# Altium PCB WunderBar_v102b _flip.PcbDoc (part 3 of 7)
Units mil, origin at the board's own origin, x right, y up, seen from the top; angles counter-clockwise.
Board outline 4556.01 x 1552 mil, 4 copper layers (Top, Route2, Route15, Bottom), stack 52.756 mil thick; 380 components, 258 nets, 1391 pads, 528 vias.
Unrouted connection lines stored in the file: 8.
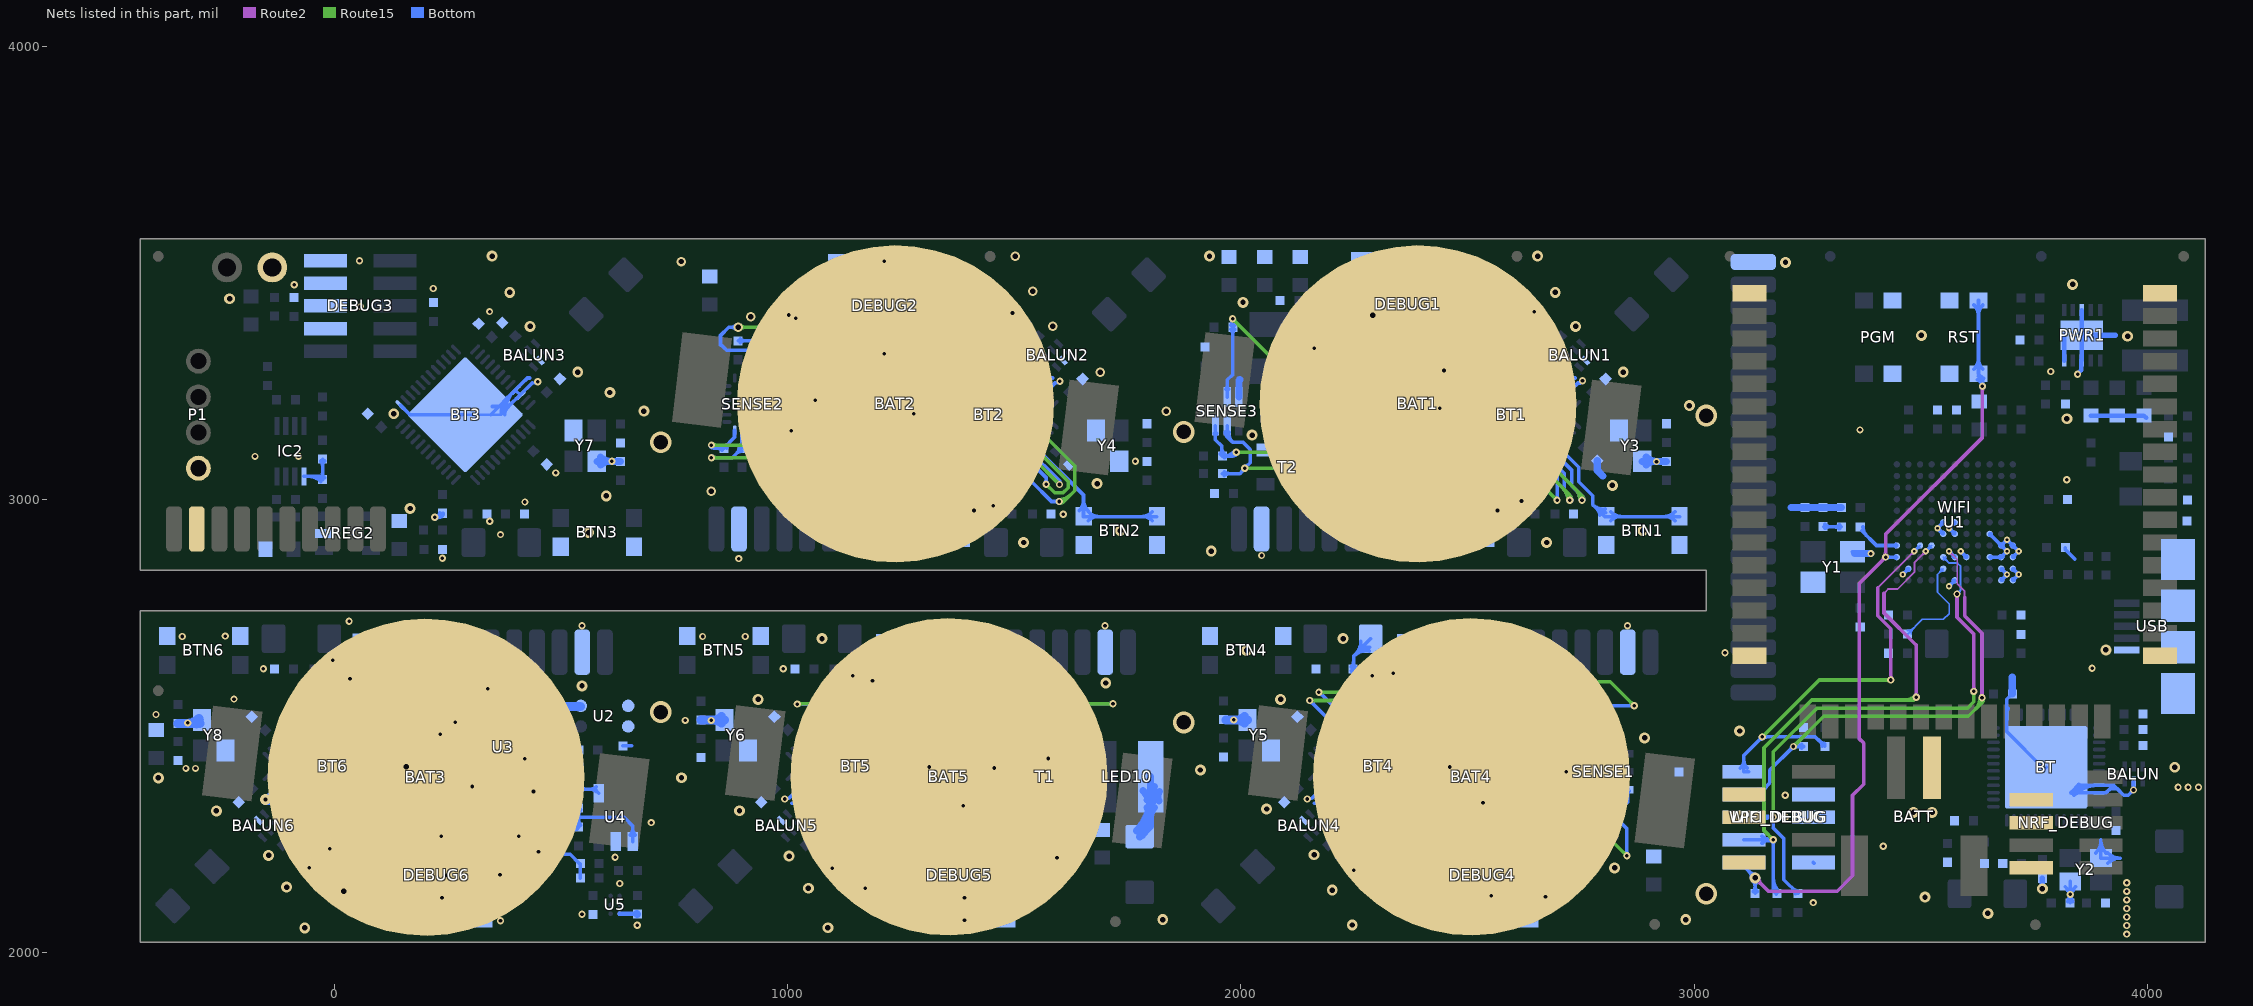
[diagram p5: the nets of this part, all layers, seen from the top]

## Via types
v1: diameter 16, hole 8, Top to Bottom, tented both sides, 282 vias
v2: diameter 24, hole 12, Top to Bottom, tented both sides, 135 vias
v3: diameter 14, hole 6, Top to Bottom, tented both sides, 34 vias
v4: diameter 48/41/41/48 (per signal layer), hole 32, Top to Bottom, 30 vias
v5: diameter 16, hole 8, Top to Route2, tented top, 18 vias
v6: diameter 21/21/21/21 (per signal layer), hole 12, Top to Bottom, tented both sides, 15 vias
v7: diameter 24, hole 12, Top to Route2, tented top, 12 vias
v8: diameter 21/21/21/21 (per signal layer), hole 12, Top to Bottom, 1 vias
v9: diameter 24, hole 8, Top to Bottom, tented both sides, 1 vias

## Nets (pads, with @x,y where several pads share a name; then routed paths per layer and width w, separated by ;. In a path a pad name is that pad's centre, name@x,y a point inside that pad or via, vN(x,y) a via of type N, cw(c..) or ccw(c..) an arc to the next point about the centre after c; other vN are vias at no path point) (continued)
GND: BALUN1.2 BALUN2.2 BALUN3.2 BALUN4.2 BALUN5.2 BALUN6.2 BALUN.2 BAT1.- BAT2.- BAT3.- BAT4.- BAT5.- BATT.2 BT1.13 BT1.33 BT1.34 BT1.PAD BT2.13 BT2.33 BT2.34 BT2.PAD BT3.13 BT3.33 BT3.34 BT3.PAD BT4.13 BT4.33 BT4.34 BT4.PAD BT5.13 BT5.33 BT5.34 BT5.PAD BT6.13 BT6.33 BT6.34 BT6.PAD BT.13 BT.33 BT.34 BT.PAD BTN1.P1 BTN1.P2 BTN2.P1 BTN2.P2 BTN3.P1 BTN3.P2 BTN4.P1 BTN4.P2 BTN5.P1 BTN5.P2 BTN6.P1 BTN6.P2 C1.2 C2.2 C3.2 C4.2 C5.2 C6.2 C7.2 C8.2 C9.2 C10.2 C12.2 C13.2 C14.2 C15.2 C16.2 C17.2 C18.2 C19.2 C20.2 C21.2 C22.2 C23.2 C24.2 C25.2 C26.2 C27.2 C28.2 C29.2 C30.2 C31.2 C32.2 C33.2 C34.2 C35.2 C36.2 C37.2 C38.2 C39.2 C40.2 C41.2 C42.2 C43.2 C44.2 C45.2 C46.2 C47.2 C48.2 C49.2 C50.2 C51.2 C52.2 C53.2 C54.2 C55.2 C56.2 C57.2 C58.2 C59.2 C60.2 C61.2 C62.2 C63.2 C64.2 C65.2 C66.2 C67.2 C68.2 C69.2 C70.1 C71.2 C72.2 C73.2 C74.2 C75.2 C76.2 C77.2 C78.2 C79.2 C80.1 C81.2 C84.1 C85.1 C86.2 C87.2 C88.2 C89.2 C90.1 C91.1 C92.1 C93.1 C94.1 C95.1 C96.1 C97.1 C98.1 C99.1 C100.1 C101.1 C102.1 C103.1 C104.2 C105.2 C106.2 C107.2 C108.2 C109.2 C110.2 C111.2 C112.1 C113.1 C114.1 DEBUG1.3 DEBUG1.5 DEBUG1.7 DEBUG1.9 DEBUG2.3 DEBUG2.5 DEBUG2.7 DEBUG2.9 DEBUG3.3 DEBUG3.5 DEBUG3.7 DEBUG3.9 DEBUG4.3 DEBUG4.5 DEBUG4.7 DEBUG4.9 DEBUG5.3 DEBUG5.5 DEBUG5.7 DEBUG5.9 DEBUG6.3 DEBUG6.5 DEBUG6.7 DEBUG6.9 IC2.1 LED2.K LED3.K LED5.K LED7.K LED8.K LED9.K LED11.K LED12.K LPC_DEBUG.3 LPC_DEBUG.5 LPC_DEBUG.9 NRF_DEBUG.3 NRF_DEBUG.5 NRF_DEBUG.9 P1.1 P1_GND.1 P2.1 PAD1.1 PAD18.1 PAD28.1 PAD38.1 PAD48.1 PAD51.1 PGM.P1 PGM.P2 PWR1.3 PWR1.5 PWR1.8 PWR1.11 R1.1 R3.1 R8.1 R13.1 R15.2 R26.1 R31.1 R32.1 R33.1 R34.1 R35.1 R36.1 R37.1 R50.1 R53.1 R64.2 R65.2 R66.1 R67.1 R69.1 RST.P3 RST.P4 SENSE1.2 SENSE2.9 SENSE2.11 SENSE2.18 SENSE2.20 SENSE3.3 T1.2 T2.2 U1.F6 U1.F7 U1.G3 U1.G6 U1.G7 U1.H1 U1.H2 U1.J1 U1.J2 U1.J3 U1.J5 U1.K1 U1.K2 U1.K10 U1.L1 U1.L2 U1.L6 U2.2 U2.3 U3.1 U3.4 U3.6 U4.2 U5.1C USB.5_GND USB.SHIELD VREG2.2 WIFI.1 WIFI.17 WIFI.32 WIFI.48 WIFI_DEBUG.3 WIFI_DEBUG.5 WIFI_DEBUG.9 Y1.2 Y1.4 Y2.2 Y2.4 Y3.2 Y3.4 Y4.2 Y4.4 Y5.2 Y5.4 Y6.2 Y6.4 Y7.2 Y7.4 Y8.2 Y8.4 | length 8380.4
  Bottom w6: v9@-156.48,2341.48 v9@-150.48,2341.48 ; BT6.PAD@-81.48,2411.48 BT6.PAD@-3.48,2411.48 BT6.PAD@-58.48,2411.48 ; BT3.PAD@344.52,3187.48 BT3.PAD@288.52,3187.48 BT3.PAD@366.52,3187.48 ; 436.52,3257.48 v1@441.52,3257.48 ; v1@997.52,2341.48 1002.52,2341.48 ; BT5.PAD@1072.52,2411.48 BT5.PAD@1150.52,2411.48 BT5.PAD@1094.52,2411.48 ; BT2.PAD@1497.52,3187.48 BT2.PAD@1442.52,3187.48 BT2.PAD@1520.52,3187.48 ; 1589.52,3257.48 v1@1595.52,3257.48 ; v1@2150.52,2341.48 2156.52,2341.48 ; BT4.PAD@2226.52,2411.48 BT4.PAD@2303.52,2411.48 BT4.PAD@2248.52,2411.48 ; BT1.PAD@2651.52,3187.48 BT1.PAD@2595.52,3187.48 BT1.PAD@2673.52,3187.48
  Bottom w8: C77.2@-345.48,2507.48 -299.48,2507.48 Y8.4@-292.48,2514.48 ; C77.2@-342.48,2511.68 ccw(c-333.17,2527.81) v1@-328.34,2509.82 ; C77.2@-341.24,2502.24 cw(c-328.58,2489.58) v1@-328.58,2507.48 ; C77.2@-341.24,2510.72 ccw(c-333.41,2518.55) -333.41,2507.48 ; C77.2@-340.28,2503.48 cw(c-331.33,2498.31) -334.01,2508.3 ; C77.2@-337.99,2509.82 cw(c-337.99,2495.21) v1@-327.01,2504.84 ; C77.2@-337.06,2507.48 ccw(c-337.06,2554.52) Y8.4@-303.79,2521.26 ; C77.2@-335.55,2505.61 cw(c-332.53,2494.36) v1@-326.18,2504.13 ; v1@-326.83,2504.65 ccw(c-333.66,2497.82) -333.66,2507.48 ccw(c-333.66,2517.14) v1@-326.83,2510.31 ; v1@-325.16,2507.48 cw(c-325.16,2477.27) Y8.4@-303.79,2498.63 ; v1@-322,2504.02 cw(c-317.68,2496.54) -315.45,2504.88 ; v1@-322,2510.94 ccw(c-314.41,2524.09) Y8.4@-310.48,2509.43 ; v1@-321.17,2504.65 cw(c-314.34,2497.82) -314.34,2507.48 cw(c-314.34,2517.14) v1@-321.17,2510.31 ; v1@-320.54,2509.48 ccw(c-311.29,2514.82) -314.05,2504.5 ; v1@-320.12,2506.49 cw(c-305.69,2502.81) -313.29,2515.62 ; v1@-317.74,2507.48 ccw(c-317.74,2535.21) Y8.4@-298.14,2515.6 ; v9@-154.67,2330.79 ccw(c-148.83,2351.32) -133.74,2336.22 ; v9@-152.63,2346.48 ccw(c-152.95,2363.6) -140.62,2351.72 ; v9(-152.48,2338.48) ccw(c-144.57,2366.31) -124.11,2345.85 ; v9@-150.48,2341.48 BT6.34@-124.48,2368.48 ; v9@-150.29,2346.18 ccw(c-140.3,2381.3) BT6.33@-114.48,2355.48 ; v9@-145.48,2330.48 -139.48,2330.48 BT6.33@-114.48,2355.48 ; v9@-144.48,2338.63 cw(c-122.99,2339.04) -138.47,2353.95 ; BT6.33@-112.97,2357.98 ccw(c-165.6,2411.58) BT6.PAD@-90.48,2411.53 ; -99.35,2371.35 ccw(c-138.84,2411.56) BT6.PAD@-82.48,2411.53 ; BT6.PAD@-96.84,2396.12 ccw(c-112.21,2411.48) BT6.PAD@-90.48,2411.48 ; BT6.PAD@-81.48,2411.48 BT6.34@-124.48,2368.48 ; IC2.1@-67.48,3051.48 -33.48,3051.48 C89.2@-26.48,3044.48 C88.2@-26.48,3089.48 ; BT6.PAD@-58.48,2411.48 -113.48,2357.48 BT6.33@-114.48,2355.48 ; -57.87,3051.48 cw(c-57.87,3013.1) C89.2@-30.72,3040.24 ; -38.55,3051.48 cw(c-38.55,3032.41) C89.2@-25.07,3045.89 ; C89.2@-30.72,3048.72 ccw(c-40.97,3058.97) -26.48,3058.97 ccw(c-11.99,3058.97) C89.2@-22.24,3048.72 ; C88.2@-30.72,3085.24 cw(c-40.97,3074.99) -26.48,3074.99 cw(c-11.99,3074.99) C88.2@-22.24,3085.24 ; BT6.PAD@-3.48,2411.48 119.52,2411.48 BT6.13@140.52,2390.48 ; v1@31.21,2601.59 cw(c24.81,2595) 34,2595 ; v1@33.35,2608.41 ccw(c30.98,2622.85) C73.2@43.65,2615.53 ; v1@34,2608.46 ccw(c34,2622.76) C73.2@44.11,2612.65 ; v1@35.04,2608.32 ccw(c37.36,2617) C73.2@41.85,2609.22 ; v1@36.79,2601.59 ccw(c43.19,2595) 34,2595 ; v1@37.86,2603.43 cw(c47.85,2600.75) C73.2@42.68,2609.7 ; C73.2@43.33,2617.87 cw(c28.85,2617.87) 39.09,2607.63 cw(c49.33,2597.39) C73.2@49.33,2611.87 ; C73.2@49.33,2617.87 34,2602.54 34,2595 ; BT3.13@145.52,3208.48 166.52,3187.48 BT3.PAD@288.52,3187.48 ; v1@221.74,2964.93 ccw(c225.17,2983.02) C64.2@238.19,2970 C64.2@229.19,2961 ; v1@224.16,2958.54 cw(c229.19,2954.62) C64.2@229.19,2961 ; v1@224.16,2963.46 ccw(c229.19,2967.38) C64.2@229.19,2961 ; C64.2@230.17,2961 ccw(c230.17,2971.1) C64.2@240.17,2969.73 ; C64.2@232.24,2970.81 cw(c221,2972.35) v1(221,2961) C64.2@229.19,2961 ; BT3.PAD@344.52,3187.48 398.52,3242.48 BT3.33@399.52,3243.48 ; BT3.PAD@347.52,3205.48 383.52,3205.48 BT3.34@409.52,3231.48 ; BT3.PAD@367.52,3188.21 cw(c421.81,3188.7) 383.07,3226.74 ; BT3.PAD@375.52,3187.48 cw(c399.66,3187.48) BT3.PAD@382.59,3204.55 ; BT3.PAD@375.52,3188.28 cw(c449.12,3188.95) BT3.33@396.6,3240.52 ; 400.03,3221.99 cw(c403.78,3218.24) BT3.34@403.78,3223.54 ; 430.52,3268.48 425.52,3268.48 BT3.33@399.52,3243.48 ; 436.52,3257.48 BT3.34@409.52,3231.48 ; C85.1@458.6,2543.7 483.9,2569 487,2569 ; C85.1@458.6,2549.7 ccw(c458.6,2564.19) 468.85,2553.94 ccw(c479.09,2543.7) C85.1@464.6,2543.7 ; 508.52,2217.48 519.71,2217.48 540.19,2197 C112.1@542.17,2197 R66.1@542.17,2165 ; C113.1@636.04,2456.63 656.04,2456.63 ; C39.2@890.52,3350.48 C40.2@930.52,3350.48 ; C39.2@894.76,3346.24 cw(c905.01,3335.99) 905.01,3350.48 cw(c905.01,3364.97) C39.2@894.76,3354.72 ; C40.2@926.28,3346.24 ccw(c916.03,3335.99) 916.03,3350.48 ccw(c916.03,3364.97) C40.2@926.28,3354.72 ; 1002.52,2341.48 BT5.34@1029.52,2368.48 ; 1008.52,2330.48 1014.52,2330.48 BT5.33@1039.52,2355.48 ; BT5.33@1041.6,2358.56 ccw(c988.68,2411.48) 1063.52,2411.48 cw(c1041.79,2411.48) BT5.PAD@1057.16,2396.12 ; 1055.26,2372.22 ccw(c1015.99,2411.48) BT5.PAD@1071.52,2411.48 ; BT5.PAD@1072.52,2411.48 BT5.34@1029.52,2368.48 ; BT5.PAD@1094.52,2411.48 1040.52,2357.48 BT5.33@1039.52,2355.48 ; BT5.PAD@1150.52,2411.48 1272.52,2411.48 BT5.13@1293.52,2390.48 ; v1@1185.83,2604.43 ccw(c1181.64,2620.06) C53.2@1195.65,2611.97 ; v1(1186.86,2600.57) 1186.86,2601.16 C53.2@1203.14,2617.43 ; v1@1186.86,2604.57 ccw(c1186.86,2612.79) 1192.68,2606.97 ; v1@1187,2604.56 ccw(c1187.23,2611.73) C53.2@1193.45,2608.15 ; v1@1190.73,2599.53 cw(c1209.03,2594.63) C53.2@1199.56,2611.04 ; v1@1190.86,2600.57 cw(c1201.95,2600.57) C53.2@1194.11,2608.41 ; v1@1190.83,2601.07 cw(c1197.74,2601.95) C53.2@1194.26,2607.98 ; C53.2@1197.14,2617.43 cw(c1182.65,2617.43) 1192.89,2607.19 cw(c1203.14,2596.95) C53.2@1203.14,2611.43 ; BT2.13@1298.52,3208.48 1319.52,3187.48 BT2.PAD@1442.52,3187.48 ; BT2.PAD@1497.52,3187.48 BT2.33@1553.52,3243.48 ; BT2.PAD@1521.52,3187.48 cw(c1579.46,3187.48) 1538.49,3228.45 ; BT2.PAD@1528.52,3205.48 1537.52,3205.48 BT2.34@1563.52,3231.48 ; BT2.PAD@1536.59,3204.55 ccw(c1553.66,3187.48) 1529.52,3187.48 cw(c1606.77,3187.48) BT2.33@1552.15,3242.11 ; 1554.03,3221.99 cw(c1557.78,3218.24) BT2.34@1557.78,3223.54 ; BT2.34@1571.92,3237.68 cw(c1577.22,3237.68) 1573.47,3241.43 ; 1584.52,3268.48 1578.52,3268.48 BT2.33@1553.52,3243.48 ; 1589.52,3257.48 BT2.34@1563.52,3231.48 ; 2156.52,2341.48 BT4.34@2182.52,2368.48 ; 2161.52,2330.48 2167.52,2330.48 BT4.33@2192.52,2355.48 ; BT4.33@2193.89,2356.85 ccw(c2139.26,2411.48) BT4.PAD@2216.52,2411.48 ; 2207.55,2370.51 ccw(c2166.58,2411.48) BT4.PAD@2224.52,2411.48 ; BT4.PAD@2208.61,2393.98 ccw(c2190.24,2412.78) BT4.PAD@2216.53,2412.48 ; BT4.PAD@2226.52,2411.48 BT4.34@2182.52,2368.48 ; BT4.PAD@2248.52,2411.48 BT4.33@2192.52,2355.48 ; DEBUG1.3@2290.75,3381.48 2325.52,3381.48 2383.52,3323.48 2383.52,3315.48 ; BT4.PAD@2303.52,2411.48 2426.52,2411.48 BT4.13@2447.52,2390.48 ; 2395.35,3263.83 2395.35,3232.15 2407.99,3219.52 C2.2@2409.13,3219.52 ; 2396.93,3230.57 ccw(c2409.13,3242.77) C2.2@2409.13,3225.52 ; C2.2@2399.7,3227.8 cw(c2391.42,3219.52) C2.2@2403.13,3219.52 ; BT1.13@2452.52,3208.48 2473.52,3187.48 BT1.PAD@2595.52,3187.48 ; BT1.PAD@2651.52,3187.48 2705.52,3242.48 BT1.33@2707.52,3243.48 ; BT1.PAD@2670.52,3205.48 2690.52,3205.48 BT1.34@2716.52,3231.48 ; BT1.PAD@2674.52,3188.21 cw(c2728.81,3188.7) 2690.07,3226.74 ; BT1.PAD@2682.52,3187.48 cw(c2706.66,3187.48) BT1.PAD@2689.59,3204.55 ; BT1.PAD@2682.52,3188.28 cw(c2756.12,3188.95) BT1.33@2703.6,3240.52 ; 2707.03,3221.99 cw(c2710.78,3218.24) BT1.34@2710.78,3223.54 ; 2737.52,3268.48 2732.52,3268.48 BT1.33@2707.52,3243.48 ; v1@2748.52,3257.48 2743.52,3257.48 BT1.34@2716.52,3231.48 ; LPC_DEBUG.9@3262.52,2199.48 LPC_DEBUG.9@3264.52,2197.48 ; Y1.4@3349.48,2885.02 Y1.4@3353.5,2881 ; v3(3460.05,2834.86) U1.K10@3472.85,2847.66 ; v3@3460.05,2837.86 ccw(c3460.05,2845.08) 3465.16,2839.97 ; v3@3463.05,2834.86 cw(c3470.32,2834.86) 3465.18,2840 ; 3467.7,2842.52 cw(c3472.86,2837.37) U1.K10@3472.86,2844.65 ; 3467.75,2842.56 ccw(c3462.66,2847.65) U1.K10@3469.86,2847.65 ; v3@3536.27,2936.68 3548.5,2924.46 U1.G7@3549.64,2924.46 ; v3(3536.84,2937.25) U1.F7@3549.64,2950.03 ; v3@3536.84,2940.25 ccw(c3536.84,2947.49) 3541.96,2942.37 ccw(c3547.08,2937.25) 3539.84,2937.25 ccw(c3549.83,2937.25) 3542.77,2930.19 ; v3@3539.74,2938.03 ccw(c3556.9,2942.63) U1.G7@3548.02,2927.24 ; v3@3539.84,2937.16 ccw(c3548.39,2936.9) 3544.11,2929.49 ; 3542.57,2930.38 ccw(c3549.64,2937.45) U1.G7@3549.64,2927.46 ; 3544.49,2944.9 cw(c3549.64,2939.75) U1.F7@3549.64,2947.03 ; 3544.53,2944.94 ccw(c3539.43,2950.03) U1.F7@3546.64,2950.03 ; U1.F7@3549.64,2946.88 U1.F7@3549.64,2950.03 ; v3(3562.43,2809.26) U1.L6@3575.22,2822.08 ; v3@3562.43,2812.26 ccw(c3562.43,2819.48) 3567.54,2814.38 ccw(c3572.7,2809.26) v3@3565.43,2809.26 ; v3@3562.43,2934.26 cw(c3562.43,2927.11) 3567.49,2932.17 ; v3@3562.43,2937.22 U1.G6@3575.22,2924.44 ; v3@3562.44,2937.24 U1.F6@3575.22,2950.02 ; v3@3562.43,2940.26 ccw(c3562.43,2947.58) 3567.61,2942.4 ; 3567.53,2942.33 ccw(c3572.6,2937.26) 3565.43,2937.26 ccw(c3572.77,2937.26) 3567.58,2932.07 ; 3570.08,2816.93 ccw(c3564.93,2822.08) U1.L6@3572.22,2822.08 ; 3570.13,2816.97 cw(c3575.22,2811.88) U1.L6@3575.22,2819.08 ; U1.G6@3572.22,2924.44 ccw(c3564.99,2924.44) 3570.1,2929.55 ccw(c3575.22,2934.7) U1.G6@3575.22,2927.44 ; U1.F6@3572.22,2950.02 cw(c3564.98,2950.02) 3570.1,2944.89 cw(c3575.22,2939.77) U1.F6@3575.22,2947.02 ; v3@3588.03,2883.06 cw(c3588.03,2875.79) 3593.17,2880.93 cw(c3598.25,2886.06) v3@3591.03,2886.06 ; v3(3588.03,2886.06) U1.J5@3600.82,2873.25 ; 3595.69,2878.4 cw(c3590.54,2873.25) U1.J5@3597.82,2873.25 ; 3595.73,2878.36 ccw(c3600.82,2883.45) U1.J5@3600.82,2876.25 ; U1.J3@3652.01,2873.23 U1.J2@3677.59,2873.24 ; U1.G3@3652.01,2921.43 cw(c3652.01,2914.19) 3657.14,2919.31 cw(c3662.26,2924.43) U1.G3@3655.01,2924.43 ; U1.G3@3652.01,2924.43 U1.H2@3677.91,2898.54 ; U1.J3@3654.14,2871.11 cw(c3659.26,2865.99) 3659.26,2873.23 cw(c3659.26,2880.47) U1.J3@3654.14,2875.35 ; 3672.46,2903.99 cw(c3667.31,2898.84) U1.H2@3674.59,2898.84 ; 3672.49,2903.95 ccw(c3677.59,2909.05) 3677.59,2901.84 ccw(c3677.59,2909.08) 3682.71,2903.96 ccw(c3687.84,2898.84) 3680.59,2898.84 ccw(c3687.89,2898.84) 3682.73,2893.68 ; U1.J2@3675.47,2871.12 ccw(c3670.37,2866.01) 3670.37,2873.23 ccw(c3670.33,2880.5) U1.J2@3675.47,2875.36 ; U1.J2@3677.59,2873.24 v3(3690.37,2886.04) U1.H2@3677.59,2898.84 ; U1.L2@3677.59,2822.08 v3(3690.38,2834.88) ; U1.L2@3677.59,2825.08 ccw(c3677.59,2832.32) 3682.71,2827.2 ccw(c3687.83,2822.08) U1.L2@3680.59,2822.08 ; U1.K2@3677.59,2844.65 cw(c3677.59,2837.35) 3682.75,2842.51 ; U1.K2@3677.59,2847.65 v3(3690.38,2834.88) ; U1.J2@3677.59,2876.24 ccw(c3677.59,2883.44) 3682.68,2878.35 ; U1.H2@3677.59,2895.84 cw(c3677.59,2888.65) 3682.67,2893.74 ; U1.H2@3677.6,2898.86 v3(3690.36,2911.62) U1.H1@3703.15,2898.83 ; U1.K2@3680.59,2847.65 ccw(c3687.77,2847.65) 3682.69,2842.58 ; U1.J2@3680.59,2873.24 cw(c3687.88,2873.24) 3682.72,2878.39 ; 3685.26,2829.75 ccw(c3680.12,2834.88) 3687.38,2834.88 ccw(c3680.14,2834.88) 3685.26,2840.01 ccw(c3690.38,2845.13) v3@3690.38,2837.88 ; 3685.24,2880.9 ccw(c3680.1,2886.04) 3687.37,2886.04 ccw(c3680.12,2886.04) 3685.25,2891.16 ccw(c3690.37,2896.29) v3@3690.37,2889.04 ; 3685.26,2880.93 cw(c3690.37,2875.83) v3@3690.37,2883.04 ; 3685.28,2829.77 cw(c3690.38,2824.67) v3@3690.38,2831.88 ; v3@3687.36,2911.62 cw(c3680.12,2911.62) 3685.24,2906.5 cw(c3690.36,2901.38) 3690.36,2908.62 cw(c3690.36,2901.38) 3695.49,2906.5 cw(c3700.61,2911.62) v3@3693.36,2911.62 ; BT.PAD@3689.52,2488.48 3772.52,2405.48 BT.PAD@3776.52,2409.48 ; BT.PAD@3689.91,2488.48 3689.91,2559.34 C7.2@3702.05,2571.48 ; BT.13@3689.91,2535.62 ccw(c3686.4,2541.7) 3693.17,2539.88 ; 3697.96,2904.03 ccw(c3703.19,2909.26) U1.H1@3703.19,2901.86 ; 3698.11,2903.87 cw(c3693.1,2898.86) U1.H1@3700.19,2898.86 ; U1.J1@3703.19,2873.25 v3(3715.96,2886.07) U1.H1@3703.2,2898.83 ; U1.L1@3703.19,2822.1 v3(3715.97,2834.91) U1.K1@3703.19,2847.67 ; U1.L1@3703.19,2825.1 ccw(c3703.19,2832.27) 3708.26,2827.2 ; U1.K1@3703.19,2844.67 cw(c3703.19,2837.37) 3708.35,2842.53 ; U1.J1@3703.19,2876.25 ccw(c3703.19,2883.38) 3708.23,2878.34 ; U1.H1@3703.19,2895.86 cw(c3703.19,2888.67) 3708.27,2893.75 ; U1.L1@3706.19,2822.1 cw(c3713.5,2822.1) 3708.33,2827.27 ; U1.K1@3706.19,2847.67 ccw(c3713.37,2847.67) 3708.29,2842.59 ; U1.J1@3706.19,2873.25 cw(c3713.54,2873.25) 3708.34,2878.45 ; U1.H1@3706.19,2898.86 ccw(c3713.48,2898.86) 3708.33,2893.7 ; v3@3715.97,2831.91 ccw(c3715.97,2824.67) 3710.85,2829.79 ccw(c3705.73,2834.91) 3712.97,2834.91 ccw(c3705.73,2834.91) 3710.85,2840.03 ccw(c3715.97,2845.15) v3@3715.97,2837.91 ; v3@3715.96,2883.07 ccw(c3715.96,2875.83) 3710.84,2880.95 ccw(c3705.71,2886.07) 3712.96,2886.07 ccw(c3705.71,2886.07) 3710.84,2891.19 ccw(c3715.96,2896.31) v3@3715.96,2889.07 ; Y2.4@3818.74,2146.17 cw(c3791.43,2118.85) 3830.06,2118.85 cw(c3868.68,2118.85) Y2.4@3841.37,2146.17 ; C114.1@3818.89,2894 3818.89,2890.11 3840,2869 ; Y2.4@3822.88,2139.09 ccw(c3834.48,2145.86) v1@3831.07,2132.87 ; C15.2@3824.32,2113.48 ccw(c3803.84,2125.3) v1@3826.69,2131.43 ; C15.2@3825.28,2114.72 ccw(c3813.74,2126.26) v1@3830.06,2126.26 ; C15.2@3826.52,2115.68 ccw(c3822.09,2123.34) v1@3830.64,2121.05 ; C15.2@3826.69,2118.62 cw(c3833.68,2118.62) v1@3831.37,2125.22 ; v1@3826.82,2126.65 cw(c3819.8,2121.54) C15.2@3828.19,2119.29 ; v1@3827.23,2126.17 cw(c3820.4,2119.34) 3830.06,2119.34 cw(c3839.71,2119.34) 3832.88,2126.17 ccw(c3837.65,2121.4) C15.2@3831.13,2119.65 ; v1@3827.23,2131.83 ccw(c3820.4,2138.66) 3830.06,2138.66 ccw(c3839.71,2138.66) v1@3832.88,2131.83 ; v1@3828.02,2125.56 cw(c3825.68,2121.62) C15.2@3829.65,2119.33 ; v1@3828.2,2125.46 cw(c3824.3,2118.01) C15.2@3832.71,2118.01 ; v1@3829.04,2132.87 ccw(c3825.63,2145.86) Y2.4@3837.23,2139.09 ; C15.2@3829.52,2110.48 3830.06,2111.02 Y2.4@3830.06,2157.48 ; v1@3830.06,2123.67 ccw(c3842.71,2123.67) C15.2@3833.76,2114.72 ; BT.PAD@3832.38,2353.62 cw(c3870.67,2315.33) 3870.67,2369.48 ; BT.PAD@3832.52,2353.48 3909.52,2353.48 3918.52,2362.48 3932.52,2362.48 ; v1@3832.71,2128.75 ccw(c3852.14,2123.54) C15.2@3834.72,2113.48 ; BT.PAD@3848.52,2370.48 3849.52,2369.48 BT.33@3893.52,2369.48 3925.52,2369.48 3932.52,2362.48 ; BT.PAD@3851.36,2353.48 ccw(c3851.36,2334.64) 3838.04,2347.96 cw(c3889.99,2296.01) BT.33@3889.99,2369.48 ; Y2.2@3886.21,2220.38 ccw(c3858.89,2247.7) 3897.52,2247.7 ccw(c3936.15,2247.7) Y2.2@3908.83,2220.38 ; 3897.52,2249.52 Y2.2@3897.52,2209.07 3940.07,2209.07 ; BT.34@3903.52,2353.48 ccw(c3903.52,2367.97) 3913.76,2357.72 ; Y2.2@3912.85,2197.77 cw(c3940.07,2170.63) 3940.07,2209.07 ; Y2.2@3912.85,2220.37 ccw(c3940.07,2247.51) 3940.07,2209.07 ; BALUN.2@3969.52,2377.48 v1(3969.52,2359.48) 3957.52,2347.48 3948.02,2347.48 3933.02,2362.48 3932.52,2362.48 ; BT6.34@-124.48,2368.48 -114.48,2358.48 BT6.33@-114.48,2355.48 ; BT3.33@399.52,3243.48 399.52,3240.48 BT3.34@409.52,3231.48 ; BT5.34@1029.52,2368.48 1039.52,2358.48 BT5.33@1039.52,2355.48 ; BT2.33@1553.52,3243.48 1553.52,3240.48 BT2.34@1563.52,3231.48 ; BT4.34@2182.52,2368.48 2192.52,2358.48 BT4.33@2192.52,2355.48 ; BT1.33@2707.52,3243.48 2707.52,3240.48 BT1.34@2716.52,3231.48
  Bottom w9: U5.1C@628.84,2086.32 C80.1@667.02,2086.32
  Bottom w10: PWR1.5@3816.15,3307 PWR1.11@3816.15,3362.61 ; BT.PAD@3832.52,2353.48 3834.16,2355.23 BT.PAD@3848.52,2370.48 ; v1@3847.39,3279.39 3854,3286 PWR1.3@3854,3308.35 ; PWR1.3@3855.52,3306.87 PWR1.11@3855.52,3362.48 PWR1.8@3855.52,3418.48 ; C9.2@3875.52,3185.48 C10.2@3992.48,3185.48 C10.2@3997.48,3180.48
  Bottom w12: v2(3768.52,2141.48) C12.2@3768.52,2164.48 ; PWR1.11@3855.52,3362.48 3929.52,3362.48
  Bottom w16: Y7.4@579.06,3084.48 C68.2@630.52,3084.48 ; Y7.4@587,3076.53 cw(c606.2,3057.34) v1@606.2,3084.48 ; Y7.4@587,3093.5 ccw(c608.78,3115.28) v1@608.78,3084.48 ; C80.1@667.02,2086.32 C80.1@668,2085.33 ; SENSE3.3@1995.52,3226.48 1995.52,3262.48 1997.52,3264.48 ; C20.2@2786.37,3085.63 2786.37,3064.63 2798.52,3052.48 ; Y3.4@2885.52,3084.48 C23.2@2938.52,3084.48 ; Y3.4@2894,3076.53 cw(c2913.2,3057.34) v1@2913.2,3084.48 ; Y3.4@2894,3093.5 ccw(c2915.78,3115.28) v1@2915.78,3084.48 ; 3213.56,2982.52 C18.2@3244.48,2982.52 LED5.K@3284.52,2982.52 C107.2@3324.85,2982.52 ; Y1.4@3353.5,2881 v1(3390,2881) ; C7.2@3702.05,2571.48 3702.05,2608.01
  Bottom w20: C77.2@-345.48,2506.48 Y8.4@-297.54,2506.48 ; v1@-324.99,2506.48 ccw(c-324.99,2542.45) Y8.4@-299.55,2517.02 ; C57.2@808.52,2513.48 Y6.4@860.06,2513.48 ; v1@835.26,2513.48 ccw(c835.26,2539.21) Y6.4@853.45,2521.02 ; v1@837.5,2513.48 cw(c837.5,2490.92) Y6.4@853.45,2506.87 ; C47.2@1966.52,2514 Y5.4@2014.46,2514 ; v1@1990.24,2514 cw(c1990.24,2489.67) Y5.4@2007.45,2506.87 ; v1@1990.51,2514 ccw(c1990.51,2537.95) Y5.4@2007.45,2521.02 ; DEBUG1.3@2290.75,3381.48 DEBUG1.5@2290.75,3431.48
  other v1: 3954.52,2041.48 3954.52,2060.31 668,2061 366,2071 1390,2072 3954.52,2079.15 546,2085 3954.52,2097.98 3263,2111 3954.52,2116.81 237,2122 1390,2122 2672,2124 2552,2126 3830.06,2129 3954.52,2135.65 1171,2143 629,2153 3954.52,2154.48 248,2171 365,2172 2249,2182 1098,2187 -56,2188 1594,2210 619,2211 450,2223 -11,2230 3417,2235 235,2257 406,2257 698.52,2287.48 3201,2299 1387,2325 2534,2331 993.52,2339.48 2146.52,2339.48 3201,2348 439,2356 4067.85,2365.48 4089.85,2365.48 4112.85,2365.48 304,2367 2718,2400 -328,2407 -307,2407 1456,2408 1312,2410 2461,2410 420,2428 1575,2429 233,2482 -324,2507.48 266,2509 774,2513 831,2513 1984,2514 -394,2526 -222,2560 338,2583 34,2604.46 1143.52,2611.48 2289.52,2611.48 2336,2617 -157,2627 990,2627 3878,2628 -4,2646 3068,2662 -336,2698 812,2698 906,2698 -241,2699 546,2722 1700,2722 2853,2722 32,2732 892,2870 238,2871 2045.48,2876.89 366,2923 342.52,2952.48 1608,2968 1411,2976 2566,2976 1453,2987 420,2995 2619,2997 3822,3044 488,3059 2917,3084 612,3085 1767,3085 -175.48,3095.48 -79.74,3095.98 1008,3152 3366,3154 1278,3190 2438.52,3201.8 1061,3219 448.52,3260.48 1600.52,3261.48 2753.52,3262.48 3846,3277 3787.07,3282.94 2448,3285 1213,3322 2162,3334 1017.52,3400.48 1002.52,3407.48 1496,3412 342,3415 2647,3415 57,3426 218,3466 -89,3474 1213,3526 55,3527
  other v2: -65.8,2055.12 1088.52,2055.48 2245.52,2061.48 1827.52,2073.48 2981.52,2073.48 3648,2087 3509.38,2122.98 20,2136 2201.52,2138.48 1045.52,2142.48 -105.8,2145.12 2824.52,2187.48 1002.86,2213.46 -145.46,2215.1 2161.52,2216.48 3484,2310 3525,2310 -260.8,2313.12 893.52,2313.48 2056.52,2317.48 -388.8,2386.12 765.52,2386.48 1910.52,2403.48 4060.52,2409.48 158,2411 2890.52,2474.48 3100.18,2489.55 934.52,2559.48 2087.52,2559.48 546,2589 1701.52,2595.48 2012.52,2667.48 3908.52,2668.48 1075.52,2693.48 2225.52,2693.48 1934.52,2886.48 1520.52,2905.48 2674.52,2905.48 560.52,2927.48 1733.52,2931.48 2886.52,2931.48 166.52,2980.48 599.52,3008.48 2819.52,3031.48 1682.52,3035.48 2024.52,3142.48 3822.52,3178.48 130.52,3189.48 682.52,3195.48 2989.52,3207.48 607.52,3236.48 536.52,3281.48 2843.52,3281.48 3956.52,3360.48 3501.52,3362.48 431.52,3382.48 2738.52,3382.48 2290.75,3406.48 2004.52,3435.48 -231.48,3443.48 386.52,3457.48 2693.52,3457.48 3835,3475 3201.52,3523.48 347.52,3537.48 1930.52,3537.48 2654.52,3537.48
  other v3: 3562.43,2937.26
  other v4: 3026.52,2130.48 1873.52,2508.48 719.52,2531.48 719.52,3126.48 1873.52,3149.48 3026.52,3185.48
  other v6: 831.52,3018.48 1835.52,3195.48 1689.52,3281.48 1584.52,3382.48 918.52,3403.48 1540.52,3459.48 764.52,3525.48 1501.52,3537.48
GYRO_INT: BT2.44 R21.1 SENSE2.12 | length 1541.7